# Altium PCB ZYNQ7010_AD9363.PcbDoc (part 2 of 5) (continued)
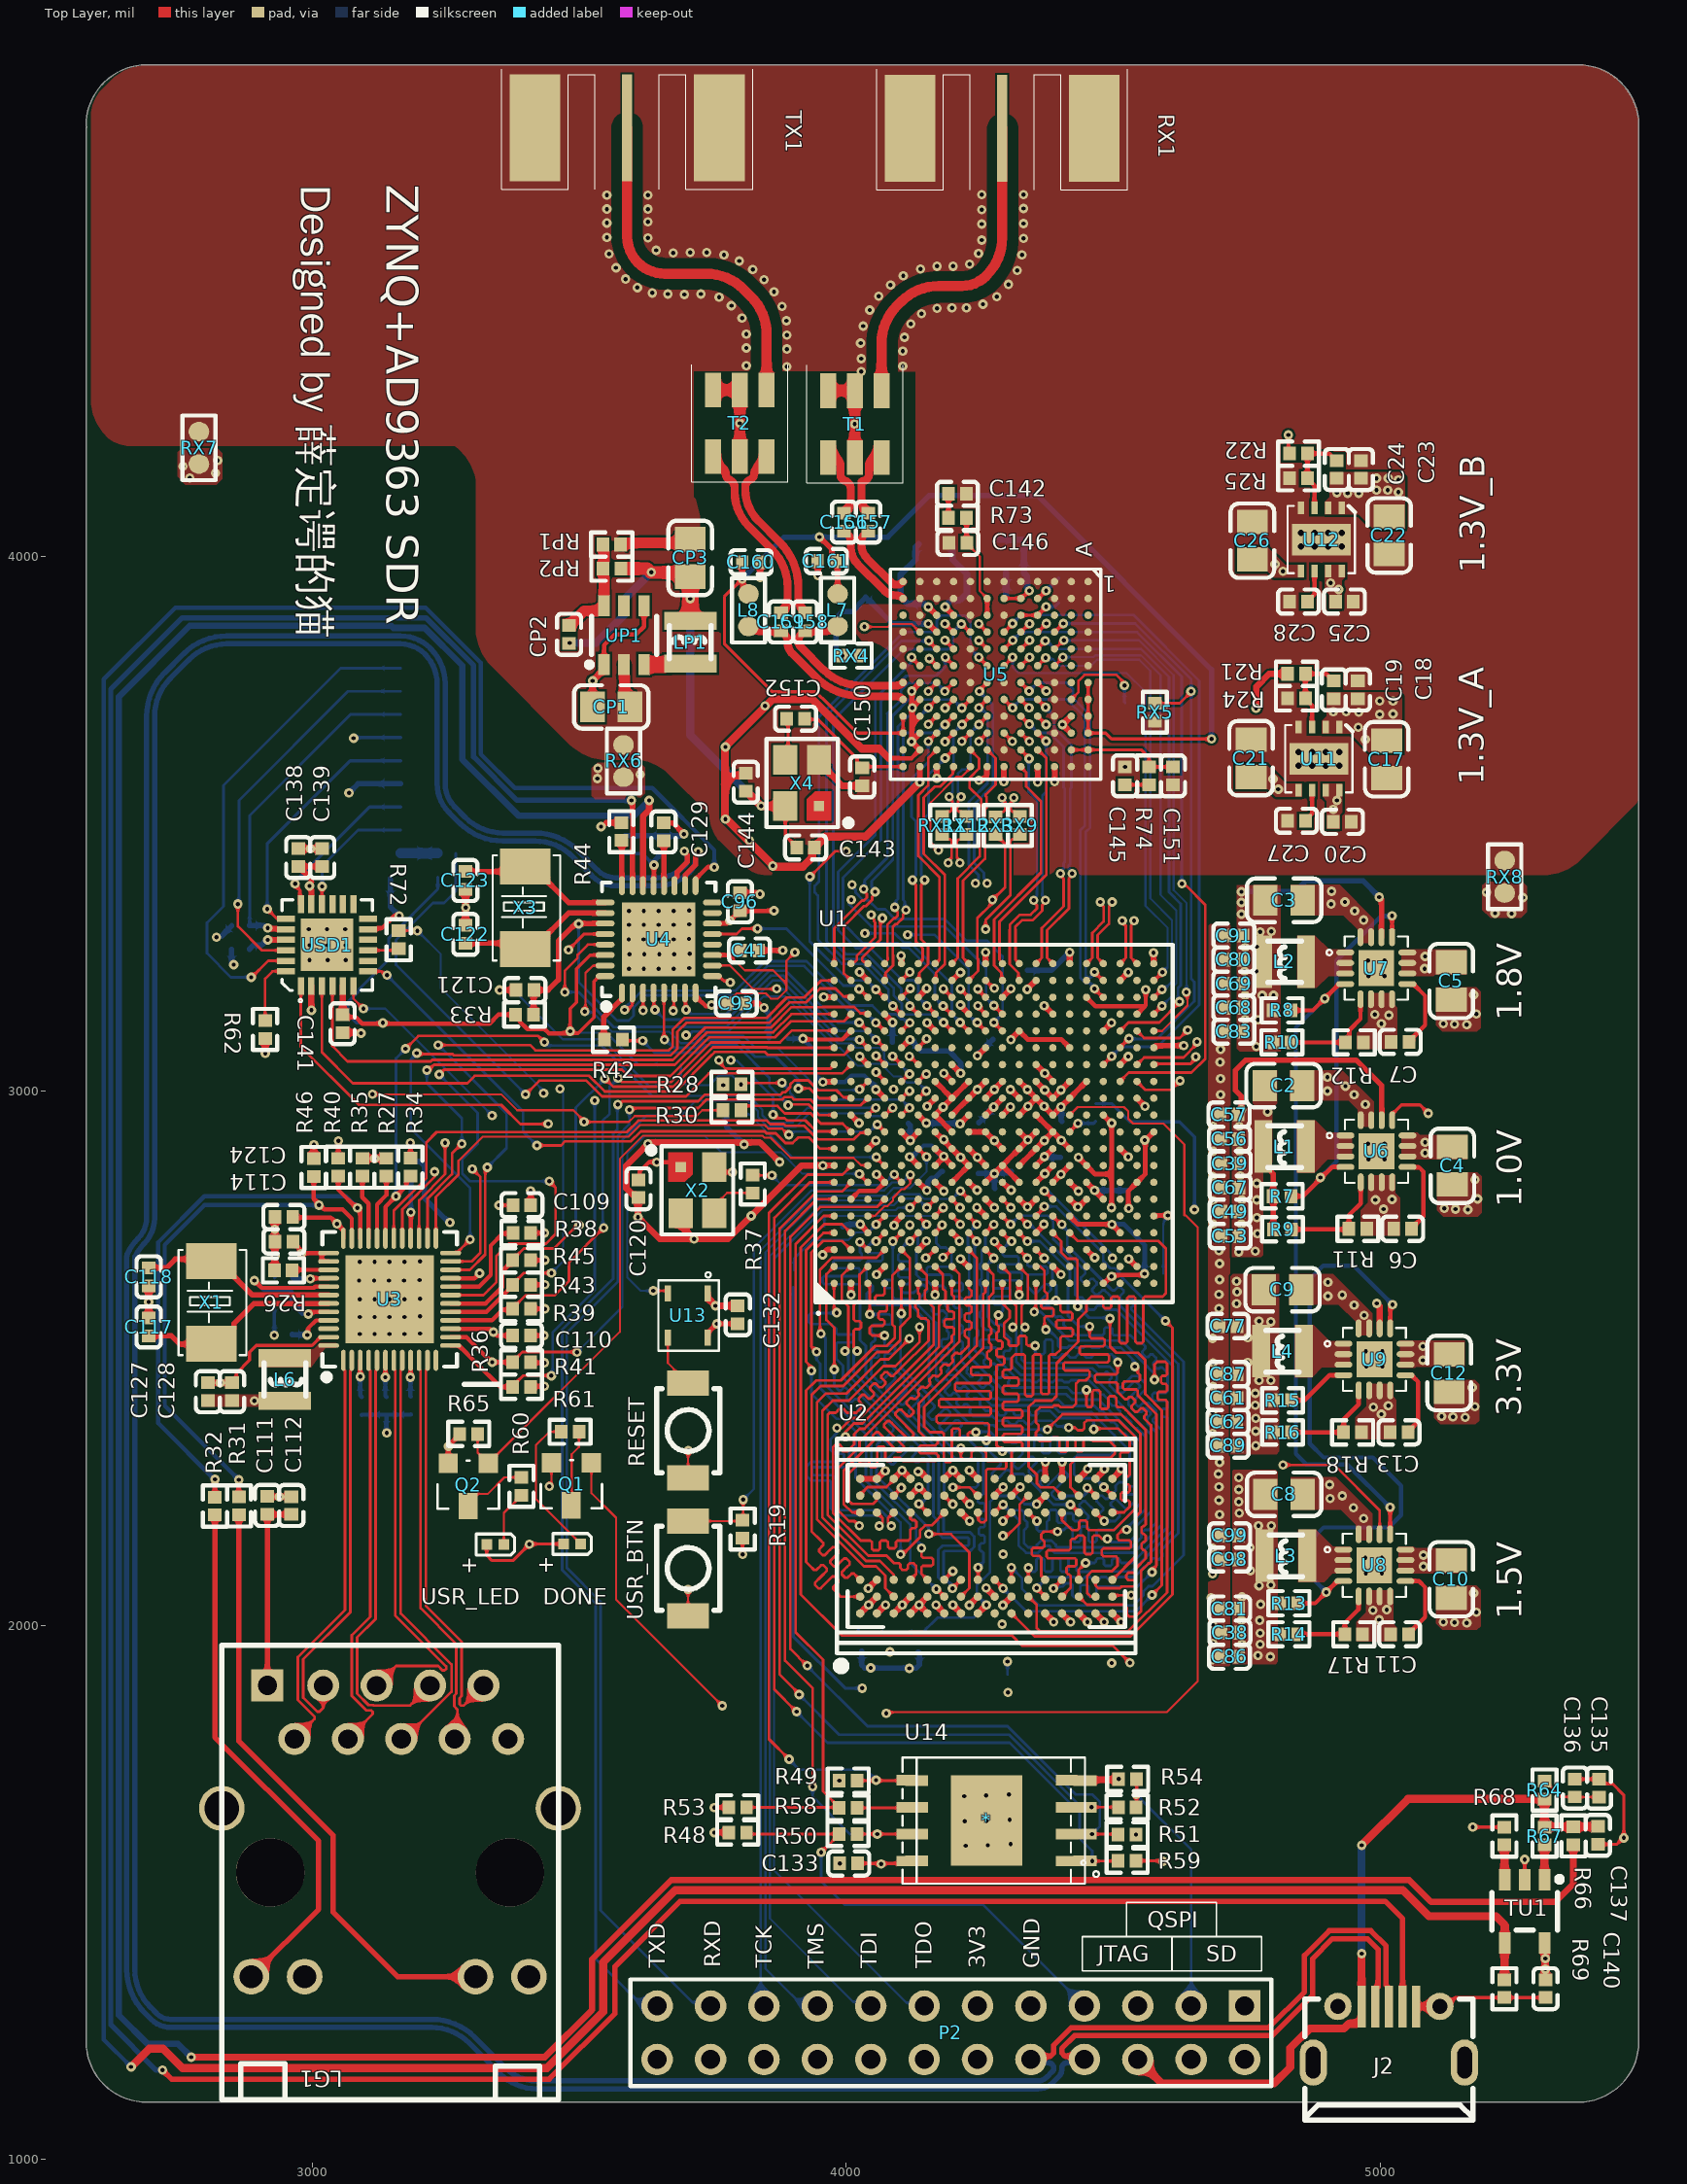
[diagram p0: Top Layer view]
## Nets (pads, with @x,y where several pads share a name; then routed paths per layer and width w, separated by ;. In a path a pad name is that pad's centre, name@x,y a point inside that pad or via, vN(x,y) a via of type N, cw(c..) or ccw(c..) an arc to the next point about the centre after c; other vN are vias at no path point) (continued)
  Bottom Layer w5: v1(4244.34,2718.61) 4244.25,2718.61 4240.76,2715.12 4240.76,2561.85 4240.76,2557.35 4243.76,2554.35 4246.76,2551.35 4246.76,2542.35 4243.76,2539.35 4240.76,2536.35 4240.76,2534.03 4240.76,2514.17 4242.74,2512.19 4245.92,2509.01 4250.16,2509.01 4250.85,2509.7 4255.09,2509.7 4261.45,2503.33 4261.45,2499.09 4258.65,2496.28 4257.22,2494.86 4257.22,2490.62 4263.58,2484.25 4267.83,2484.25 4269.25,2485.68 4273.17,2489.59 4277.41,2489.59 4283.77,2483.23 4283.77,2478.98 4279.86,2475.07 4278.43,2473.65 4278.43,2469.4 4284.8,2463.04 4289.04,2463.04 4290.47,2464.46 4294.38,2468.38 4298.62,2468.38 4304.99,2462.01 4304.99,2457.77 4303.19,2455.98 4303.19,2451.74 4307.8,2447.13 4310.16,2444.77 4414.2,2444.77 4424.53,2434.44 4440.61,2434.44 4445.01,2438.84 4448.16,2438.84 v1(4449.78,2440.45)
DDR3_A10: U1.F5 U2.L7 | length 1212.5
  Top Layer w5: U1.F5@4134.65,2765.84 v1(4150.39,2750.1) ; U2.L7@4340.98,2211 v1(4357.03,2194.95)
  Bottom Layer w5: v1(4150.39,2750.1) 4134.27,2733.98 4134.27,2712.71 4134.43,2712.54 4134.43,2704.23 4131.35,2701.16 4131.35,2655.92 4140.24,2647.03 4149.66,2647.03 4161.8,2634.9 4181.53,2634.9 4185.6,2630.83 4185.6,2599.13 4201.77,2582.96 4201.77,2482.15 4225.28,2458.64 4237.51,2446.42 4246.5,2437.43 4258.72,2425.2 4272.57,2411.35 4386.3,2411.35 4398.5,2399.16 4458.66,2399.16 4480.88,2376.94 4480.88,2376.68 4501.5,2356.06 4501.76,2356.06 4530.87,2326.94 4530.87,2278.16 4523.34,2270.63 4519.8,2267.09 4515.56,2267.09 4515.2,2267.45 4510.95,2267.45 4504.59,2261.09 4504.59,2256.84 4504.95,2256.48 4504.95,2252.24 4501.77,2249.06 4495.24,2242.53 4489.47,2236.75 4485.22,2236.75 4479.54,2242.44 4475.3,2242.44 4468.94,2236.07 4468.94,2231.83 4476.74,2224.03 4481.1,2219.66 4481.1,2215.42 4474.74,2209.06 4470.5,2209.06 4466.13,2213.42 4447.37,2232.18 4443.13,2232.18 4436.76,2225.82 4436.76,2221.57 4453.4,2204.93 4453.4,2200.69 4450.22,2197.51 4447.66,2194.95 4440.16,2194.95 4428.16,2194.95 4425.16,2197.95 4425.16,2206.47 4422.16,2209.47 4413.16,2209.47 4410.16,2206.47 4410.16,2194.95 4410.16,2194.49 4407.16,2191.49 4398.16,2191.49 4395.16,2194.49 4395.16,2194.95 4395.16,2212.82 4392.16,2215.82 4383.16,2215.82 4380.16,2212.82 4380.16,2197.95 4377.16,2194.95 4375.48,2193.26 4375.48,2178.54 4372.45,2175.52 4361.14,2175.52 4357.03,2179.62 v1(4357.03,2194.95)
DDR3_A11: U1.G4 U2.R7 | length 1209.1
  Top Layer w5: U1.G4@4166.14,2734.35 4179.72,2747.93 v1(4179.72,2749.15) ; U2.R7@4466.97,2211 v1(4483.02,2194.95)
  Bottom Layer w5: v1(4179.72,2749.15) 4178.78,2750.09 4168.58,2739.88 4168.58,2715.01 4176.63,2706.96 4186.47,2706.96 4197.31,2696.12 4197.31,2674.06 4194.35,2671.1 4153.88,2671.1 4150.88,2668.1 4150.88,2659.1 4153.88,2656.1 4194.31,2656.1 4197.31,2653.1 4197.31,2648.6 4197.31,2644.1 4200.31,2641.1 4215.4,2641.1 4218.4,2638.1 4218.4,2629.1 4215.4,2626.1 4200.31,2626.1 4197.31,2623.1 4197.31,2617.73 4199.95,2615.09 4213.47,2615.09 4217.08,2611.48 4217.08,2606.74 4215.04,2604.69 4204.22,2604.69 4201.55,2602.02 4201.55,2597.33 4205.04,2593.84 4212.69,2593.84 4215.77,2590.75 4215.77,2578.41 4215.77,2577.58 4214.77,2576.58 4211.77,2573.58 4211.77,2564.58 4214.77,2561.58 4215.77,2561.58 4218.4,2558.95 4218.4,2549.2 4215.77,2546.58 4214.77,2546.58 4211.77,2543.58 4211.77,2534.58 4214.77,2531.58 4215.77,2531.58 4218.4,2528.95 4218.4,2519.2 4215.77,2516.58 4215.77,2501.58 4215.77,2494.08 4218.85,2491 4227.33,2482.52 4227.33,2478.27 4225.68,2476.62 4225.68,2472.38 4232.05,2466.02 4236.29,2466.02 4240.06,2469.79 4242.79,2472.52 4247.03,2472.52 4253.4,2466.16 4253.4,2461.92 4250.67,2459.18 4246.89,2455.41 4246.89,2451.17 4253.26,2444.8 4257.5,2444.8 4261.27,2448.58 4264.01,2451.31 4268.25,2451.31 4274.61,2444.95 4274.61,2440.7 4271.88,2437.97 4268.11,2434.2 4268.11,2429.96 4274.47,2423.59 4278.71,2423.59 4280.36,2425.24 4284.61,2425.24 4287.79,2422.06 4396.93,2422.06 4408.41,2410.58 4464.86,2410.58 4469.41,2406.03 4474.06,2401.38 4475.36,2401.38 4479.61,2401.38 4485.97,2395.01 4485.97,2390.77 4485.97,2389.47 4495.27,2380.16 4496.58,2380.16 4500.82,2380.16 4507.18,2373.8 4507.18,2369.56 4507.18,2368.25 4516.49,2358.95 4517.79,2358.95 4522.03,2358.95 4528.4,2352.59 4528.4,2348.34 4528.4,2347.04 4529.7,2345.74 4540.87,2334.56 4540.87,2261.26 4539.24,2259.63 4526.48,2259.63 4523.48,2256.63 4523.48,2247.63 4526.48,2244.63 4537.87,2244.63 4540.87,2241.63 4540.87,2237.13 4540.87,2232.15 4535.57,2226.85 4527.08,2218.36 4522.84,2218.36 4506.15,2235.06 4501.91,2235.06 4495.54,2228.69 4495.54,2224.45 4512.23,2207.76 4512.23,2203.51 4503.75,2195.03 4503.67,2194.95 v1(4483.02,2194.95)
DDR3_A12: U1.E4 U2.N7 | length 1211.5
  Top Layer w5: v1(4087.41,2718.61) U1.E4@4103.15,2734.35 ; U2.N7@4403.98,2211 4403.98,2196.97 4422.83,2178.12 4433.08,2178.12 4436.08,2181.12 4436.08,2193.06 4439.08,2196.06 4448.08,2196.06 4451.08,2193.06 4451.08,2181.12 4454.08,2178.12 4466.08,2178.12 4473.58,2178.12 4501.46,2178.12 4540.87,2217.54 4540.87,2352.86 4510.28,2383.45 4450.65,2383.45 4445.55,2378.35 4445.55,2368.02 4442.49,2364.96 4433.28,2364.96 4428.55,2369.69 v1@4419.11,2369.69
  Bottom Layer w5: v1(4087.41,2718.61) 4087.41,2697.25 4087.41,2652.23 4087.41,2649.14 4084.41,2646.14 4071.95,2646.14 4068.95,2643.14 4068.95,2634.14 4071.95,2631.14 4084.41,2631.14 4087.41,2628.14 4087.41,2623.64 4087.41,2613.98 4091.59,2609.8 4124.32,2609.8 4168.18,2565.95 4168.18,2537.26 4168.18,2460.72 4170.84,2458.05 4174.02,2454.87 4178.26,2454.87 4183.84,2460.45 4188.09,2460.45 4194.45,2454.09 4194.45,2449.84 4186.75,2442.14 4185.27,2440.66 4185.27,2436.42 4191.63,2430.06 4195.88,2430.06 4197.36,2431.54 4200.81,2434.99 4205.05,2434.99 4211.41,2428.62 4211.41,2424.38 4207.96,2420.93 4206.48,2419.45 4206.48,2415.21 4212.85,2408.84 4217.09,2408.84 4218.57,2410.32 4222.02,2413.77 4226.26,2413.77 4232.63,2407.41 4232.63,2403.17 4231.3,2401.84 4231.3,2397.59 4237.54,2391.35 4273.63,2391.35 4282.17,2382.81 4289.67,2382.81 4301.67,2382.81 4304.67,2379.81 4304.67,2379.38 4307.67,2376.38 4316.67,2376.38 4319.67,2379.38 4319.67,2379.81 4322.67,2382.81 4331.67,2382.81 4334.67,2379.81 4334.67,2379.38 4337.67,2376.38 4346.67,2376.38 4349.67,2379.38 4349.67,2379.81 4352.67,2382.81 4364.67,2382.81 4379.67,2382.81 4384.51,2382.81 4395.09,2372.23 4417.73,2372.23 4416.48,2370.97 v1(4416.48,2369.69)
DDR3_A13: U1.D4 U2.T3 | length 1211.9
  Top Layer w5: v1(4055.92,2718.61) U1.D4@4071.66,2734.35 ; v1(4376.47,2366.38) 4405,2394.91 4514.18,2394.91 4550.87,2358.21 4550.87,2211.68 4543.16,2203.97 4543.16,2160.01 4543.21,2159.96 4543.21,2142.67 4543.16,2142.62 4543.16,2129.7 U2.T3@4498.46,2085
  Bottom Layer w5: v1(4055.92,2718.61) 4049.99,2718.61 4038.1,2706.73 4038.1,2704 4038.1,2699.5 4041.1,2696.5 4065.1,2696.5 4068.1,2693.5 4068.1,2684.5 4065.1,2681.5 4041.1,2681.5 4038.1,2678.5 4038.1,2670.03 4038.1,2645.61 4038.1,2641.11 4041.1,2638.11 4046.51,2638.11 4049.51,2635.11 4049.51,2626.11 4046.51,2623.11 4041.1,2623.11 4038.1,2620.11 4038.1,2610.16 4048.46,2599.8 4120.18,2599.8 4154.92,2565.06 4154.92,2452.63 4227.46,2380.09 4254.81,2380.09 4260.6,2374.3 4276.54,2374.3 4284.46,2366.38 v1(4376.47,2366.38)
DDR3_A14: U1.F4 U2.T7 | length 1207.8
  Top Layer w5: v1(4118.91,2718.61) U1.F4@4134.65,2734.35 ; v1@4463.46,2368.33 4486.8,2368.33 4501.76,2368.33 4509.26,2368.33 4530.87,2346.71 4530.87,2338.64 4530.87,2326.64 4527.87,2323.64 4515.87,2323.64 4512.87,2320.64 4512.87,2311.64 4515.87,2308.64 4527.87,2308.64 4530.87,2305.64 4530.87,2301.14 4530.87,2293.64 4530.87,2281.64 4527.87,2278.64 4525.49,2278.64 4522.49,2275.64 4522.49,2266.64 4525.49,2263.64 4527.87,2263.64 4530.87,2260.64 4530.87,2251.64 4527.87,2248.64 4516.84,2248.64 4513.84,2245.64 4513.84,2236.64 4516.84,2233.64 4527.87,2233.64 4530.87,2230.64 4530.87,2221.68 4520.19,2211 U2.T7@4498.46,2211
  Bottom Layer w5: 4118.91,2644.89 4118.91,2642.53 4114.74,2638.36 4103.93,2638.36 4100.28,2634.7 4100.28,2630.06 4108,2622.34 4126.58,2622.34 4128.38,2624.13 4141.28,2637.03 4145.52,2637.03 4151.88,2630.67 4151.88,2626.43 4138.98,2613.53 4138.98,2609.28 4145.35,2602.92 4149.59,2602.92 4152.03,2605.36 4156.27,2605.36 4162.64,2599 4162.64,2594.76 4160.19,2592.31 4160.19,2588.07 4166.56,2581.71 4170.8,2581.71 4177.72,2588.63 4181.96,2588.63 4188.33,2582.26 4188.33,2578.02 4181.41,2571.1 4181.41,2566.86 4188.94,2559.33 4188.94,2557.92 4188.94,2550.42 4191.77,2547.58 4191.77,2538.26 4188.94,2535.42 4181.18,2535.42 4178.18,2532.42 4178.18,2523.42 4181.18,2520.42 4188.94,2520.42 4191.77,2517.58 4191.77,2508.26 4188.94,2505.42 4181.18,2505.42 4178.18,2502.42 4178.18,2493.42 4181.18,2490.42 4188.94,2490.42 4191.77,2487.58 4191.77,2478.26 4188.94,2475.42 4188.94,2473.7 4190.78,2471.86 4194.63,2468.01 4197.53,2468.01 4201.78,2468.01 4208.14,2461.64 4208.14,2457.4 4206.69,2455.95 4204.48,2453.74 4204.48,2449.5 4210.84,2443.14 4215.09,2443.14 4217.3,2445.34 4218.75,2446.8 4222.99,2446.8 4229.35,2440.43 4229.35,2436.19 4227.9,2434.74 4225.69,2432.53 4225.69,2428.29 4232.06,2421.92 4236.3,2421.92 4238.51,2424.13 4239.96,2425.58 4244.2,2425.58 4250.57,2419.22 4250.57,2414.98 4250.57,2412.07 4258.42,2404.22 4261.29,2401.35 4268.79,2401.35 4280.79,2401.35 4283.79,2398.35 4283.79,2395.8 4286.79,2392.8 4295.79,2392.8 4298.79,2395.8 4298.79,2398.35 4301.79,2401.35 4310.79,2401.35 4313.79,2398.35 4313.79,2395.8 4316.79,2392.8 4325.79,2392.8 4328.79,2395.8 4328.79,2398.35 4331.79,2401.35 4340.79,2401.35 4343.79,2398.35 4343.79,2395.8 4346.79,2392.8 4355.79,2392.8 4358.79,2395.8 4358.79,2398.35 4361.79,2401.35 4373.79,2401.35 4381.56,2401.35 4395.18,2387.73 4455.94,2387.73 4463.46,2380.21 v1(4463.46,2366.94) ; 4118.91,2648.11 4115.91,2651.11 4100.41,2651.11 4097.41,2654.11 4097.41,2663.11 4100.41,2666.11 4115.91,2666.11 4118.91,2669.11 4118.91,2678.11 4115.91,2681.11 4100.41,2681.11 4097.41,2684.11 4097.41,2693.11 4100.41,2696.11 4103.77,2699.47 4103.77,2706.49 4115.89,2718.61 v1(4118.91,2718.61)
DDR3_BA0: U1.L5 U2.M2 | length 1211.9
  Top Layer w5: U1.L5@4292.13,2765.84 v1(4307.87,2750.1) ; v1(4356.43,2069.56) U2.M2@4372.48,2053.51
  Bottom Layer w5: v1(4307.87,2750.1) 4324.23,2766.46 4378,2766.46 4387.41,2757.05 4387.41,2721.98 4388.83,2721.98 4433.96,2676.85 4439.26,2671.55 4447.75,2663.06 4447.75,2658.82 4439.49,2650.57 4439.49,2646.33 4445.86,2639.96 4450.1,2639.96 4458.35,2648.22 4462.59,2648.22 4468.96,2641.85 4468.96,2637.61 4460.6,2629.25 4460.6,2625 4466.96,2618.64 4471.2,2618.64 4479.57,2627 4483.81,2627 4492.29,2618.52 4496.1,2614.71 4621.87,2488.94 4621.87,2172.19 4602.3,2152.62 4589.7,2140.02 4589.7,2135.78 4592.17,2133.31 4592.17,2129.07 4585.81,2122.7 4581.56,2122.7 4579.09,2125.17 4574.85,2125.17 4566.37,2116.69 4555.76,2106.08 4545.15,2095.48 4539.85,2090.17 4507.54,2090.17 4504.54,2087.17 4501.54,2084.17 4492.54,2084.17 4489.54,2087.17 4486.54,2090.17 4477.54,2090.17 4474.54,2087.17 4471.54,2084.17 4462.54,2084.17 4459.54,2087.17 4456.54,2090.17 4447.34,2090.17 4444.54,2087.37 4441.54,2084.37 4432.54,2084.37 4429.54,2087.37 4426.74,2090.17 4414.54,2090.17 4411.74,2087.37 4402.34,2087.37 4399.54,2090.17 4384.54,2090.17 4377.04,2090.17 v1(4356.43,2069.56)
DDR3_BA1: U1.R4 U2.N8 | length 1271.2
  Top Layer w5: U2.N8@4403.98,2242.49 4388.6,2257.86 4364.6,2257.86 4357.11,2265.35 4357.11,2281.72 4341.78,2297.04 4341.78,2408.35 4353.95,2420.52 4385.26,2420.52 4393.85,2429.11 4393.85,2490.05 4434.45,2530.66 4434.45,2557.24 4434.45,2572.12 4449.91,2587.58 4449.91,2603.55 4448.91,2604.55 4448.91,2605.26 4458.91,2615.26 4466.41,2615.26 4478.41,2615.26 4481.41,2612.26 4481.41,2596.24 4484.41,2593.24 4493.41,2593.24 4496.41,2596.24 4496.41,2612.26 4499.41,2615.26 4508.41,2615.26 4511.41,2612.26 4511.41,2530.89 4514.41,2527.89 4523.41,2527.89 4526.41,2530.89 4526.41,2612.26 4529.41,2615.26 4538.41,2615.26 4541.41,2612.26 4541.41,2530.89 4544.41,2527.89 4553.41,2527.89 4556.41,2530.89 4556.41,2612.26 4559.41,2615.26 4571.41,2615.26 4592.56,2615.26 4598.6,2621.3 4598.6,2704.85 4584.22,2719.23 4433.22,2719.23 U1.R4@4418.11,2734.35
DDR3_BA2: U1.J5 U2.M3 | length 1211.6
  Top Layer w5: U1.J5@4229.14,2765.84 v1(4244.88,2750.1) ; U2.M3@4372.48,2085 4365.01,2092.47 4365.01,2120.93 4365.01,2126.61 4362.01,2129.61 4350.32,2129.61 4347.32,2132.61 4347.32,2141.61 4350.32,2144.61 4365.01,2144.61 4368.01,2144.61 4371.01,2147.61 4371.01,2156.61 4368.01,2159.61 4365.01,2162.61 4365.01,2167.11 4365.01,2170.04 4370.27,2175.29 v1(4395.89,2175.29)
  Bottom Layer w5: v1(4244.88,2750.1) 4227.98,2733.2 4227.98,2711.74 4230.03,2709.69 4230.03,2503.67 4301.04,2432.66 4411.69,2432.66 4422.17,2422.18 4472.95,2422.18 4550.87,2344.25 4550.87,2228.01 4501.45,2178.59 4476.51,2178.59 4472.01,2178.59 4469.01,2175.59 4469.01,2158.46 4466.01,2155.46 4457.01,2155.46 4454.01,2158.46 4454.01,2178.59 4454.01,2181.95 4451.01,2184.95 4442.01,2184.95 4439.01,2181.95 4439.01,2178.59 4439.01,2158.46 4436.01,2155.46 4427.01,2155.46 4424.01,2158.46 4424.01,2178.59 4424.01,2179.75 4421.01,2182.75 4412.01,2182.75 4409.01,2179.75 4407.86,2178.59 4405.47,2178.59 4399.19,2178.59 v1(4395.89,2175.29)
DDR3_CAS: U1.P5 U2.K3 | length 1213
  Top Layer w5: U2.K3@4309.49,2085 v1(4309.49,2107.7) ; U1.P5@4386.62,2765.84 4402.36,2750.1 v1(4403.76,2750.1)
  Bottom Layer w5: v1(4309.49,2107.7) 4329.08,2088.1 4329.08,2068.22 4360.15,2037.15 4537.84,2037.15 4556.36,2055.67 4556.36,2063.14 4565.94,2072.72 4573.41,2072.72 4631.87,2131.18 4631.87,2493.08 4548.81,2576.14 4534.14,2590.81 4534.14,2595.05 4540.52,2601.43 4540.52,2605.67 4534.16,2612.03 4529.91,2612.03 4523.54,2605.66 4519.3,2605.66 4512.93,2612.02 4512.93,2616.26 4519.31,2622.64 4519.31,2626.88 4512.94,2633.25 4508.7,2633.25 4502.32,2626.87 4498.08,2626.87 4494.9,2630.05 4413.82,2711.13 4413.82,2738.64 4403,2749.45 4403.64,2750.1 v1(4403.76,2750.1)
DDR3_CK_N: U1.M2 U2.K7 | length 1211.9
  Top Layer w5: v1(4293.44,2194.95) U2.K7@4309.49,2211 ; U1.M2@4323.62,2671.35 4339.99,2654.98 4339.99,2609.53 4328.25,2597.79 4328.25,2564.2 v1(4334.61,2557.84)
  Bottom Layer w5: v1(4293.44,2194.95) 4303.87,2205.39 4314.7,2205.39 4322.78,2197.3 4322.78,2149.34 4336.71,2135.4 4359.32,2135.4 4367.28,2143.36 4367.28,2146.33 4369.34,2148.4 4380.21,2148.4 4382.28,2146.33 4382.28,2143.36 4390.23,2135.4 4482.04,2135.4 4499.78,2135.4 4499.84,2135.46 4538.22,2135.46 4547.88,2145.12 4582.16,2179.4 4590.87,2188.11 4590.87,2364.97 4573.86,2381.99 4573.86,2384.91 4579.9,2390.96 4579.9,2402.17 4566.37,2415.71 4555.15,2415.71 4549.11,2409.66 4546.18,2409.66 4538.5,2417.34 4538.5,2420.27 4559.71,2441.48 4559.71,2452.7 4546.18,2466.23 4534.96,2466.23 4513.75,2445.02 4510.82,2445.02 4503.14,2452.7 4503.14,2455.63 4506.78,2459.26 4506.78,2470.47 4493.24,2484.01 4482.03,2484.01 4481.93,2483.91 4473.84,2483.91 4466.76,2490.98 4335.05,2490.98 4328.25,2497.77 4328.25,2551.48 v1(4334.61,2557.84)
DDR3_CK_P: U1.L2 U2.J7 | length 1211.9
  Top Layer w5: U2.J7@4277.99,2211 4292.81,2225.82 v1(4293.58,2225.82) ; U1.L2@4292.13,2671.35 4306.52,2656.96 4306.52,2609.83 4318.25,2598.1 4318.25,2564.2 v1(4311.9,2557.84)
  Bottom Layer w5: v1(4293.58,2225.82) 4304.01,2215.39 4328.95,2215.39 4332.78,2211.55 4332.78,2205.67 4332.78,2198.76 4335.78,2195.76 4338.78,2192.76 4338.78,2183.76 4335.78,2180.76 4332.78,2177.76 4332.78,2165.76 4332.78,2158.26 4332.78,2153.48 4340.8,2145.46 4355.16,2145.46 4357.22,2147.52 4357.22,2150.5 4365.18,2158.45 4384.37,2158.45 4392.33,2150.5 4392.33,2147.52 4394.39,2145.46 4482.04,2145.46 4482.09,2145.4 4495.64,2145.4 4495.7,2145.46 4534.08,2145.46 4549.57,2160.96 4552.5,2163.88 4552.5,2167.59 4552.5,2171.84 4558.86,2178.2 4563.11,2178.2 4566.82,2178.2 4575.57,2186.95 4580.87,2192.25 4580.87,2360.83 4563.86,2377.84 4563.86,2389.06 4569.9,2395.1 4569.9,2398.03 4562.22,2405.71 4559.3,2405.71 4553.25,2399.66 4542.04,2399.66 4528.5,2413.2 4528.5,2424.41 4549.71,2445.63 4549.71,2448.55 4542.04,2456.23 4539.11,2456.23 4517.89,2435.02 4506.68,2435.02 4493.14,2448.55 4493.14,2459.77 4496.78,2463.4 4496.78,2466.33 4489.1,2474.01 4486.17,2474.01 4482.54,2470.37 4471.32,2470.37 4460.72,2480.98 4330.91,2480.98 4318.25,2493.63 4318.25,2551.48 v1(4311.9,2557.84)
DDR3_CKE: U1.N3 U2.K9 | length 1227.7
  Top Layer w5: U2.K9@4309.49,2274 4309.78,2274.29 4309.78,2303.33 4309.78,2325.12 4312.78,2328.12 4326.82,2328.12 4329.82,2331.12 4329.82,2340.12 4326.82,2343.12 4309.78,2343.12 4296.56,2343.12 4293.56,2346.12 4293.56,2355.12 4296.56,2358.12 4309.78,2358.12 4326.82,2358.12 4329.82,2361.12 4329.82,2370.12 4326.82,2373.12 4309.78,2373.12 4296.56,2373.12 4293.56,2376.12 4293.56,2385.12 4296.56,2388.12 4309.78,2388.12 4326.82,2388.12 4329.82,2391.12 4329.82,2400.12 4326.82,2403.12 4309.78,2403.12 4296.56,2403.12 4293.56,2406.12 4293.56,2415.12 4296.56,2418.12 4309.78,2418.12 4320,2418.12 4323,2421.12 4323,2430.12 4320,2433.12 4309.78,2433.12 4296.56,2433.12 4293.56,2436.12 4293.56,2445.12 4296.56,2448.12 4309.78,2448.12 4320,2448.12 4323,2451.12 4323,2460.12 4320,2463.12 4309.78,2463.12 4296.56,2463.12 4293.56,2466.12 4293.56,2475.12 4296.56,2478.12 4306.78,2478.12 4309.78,2481.12 4309.78,2493.12 4309.78,2500.62 4316,2506.84 4319.96,2506.84 4331.96,2506.84 4334.96,2503.84 4334.96,2431.81 4337.96,2428.81 4346.96,2428.81 4349.96,2431.81 4349.96,2503.84 4352.96,2506.84 4361.96,2506.84 4364.96,2503.84 4364.96,2435.49 4367.96,2432.49 4376.96,2432.49 4379.96,2435.49 4379.96,2503.84 4382.96,2506.84 4387.46,2506.84 4391.96,2506.84 4401.36,2516.24 4401.36,2518.6 4401.36,2526.1 4401.36,2538.1 4404.36,2541.1 4421.45,2541.1 4424.45,2544.1 4424.45,2553.1 4421.45,2556.1 4401.36,2556.1 4396.26,2556.1 4393.26,2559.1 4393.26,2568.1 4396.26,2571.1 4401.36,2571.1 4420.62,2571.1 4423.62,2574.1 4423.62,2583.1 4420.62,2586.1 4404.36,2586.1 4401.36,2589.1 4401.36,2599.22 v1(4392.58,2608) ; U1.N3@4355.12,2702.85 v1(4370.86,2687.11)
  Bottom Layer w5: v1@4370.86,2688.82 v1(4370.86,2687.11) 4385.95,2672.02 4385.95,2644.3 4393.52,2636.72 4393.52,2617.67 4386.71,2610.86 v1@4396.3,2610.86 ; v1(4392.58,2608) 4393.44,2608 v1@4396.3,2610.86 ; v1@4396.01,2611.14 v1@4396.3,2610.86
DDR3_CS: U1.N1 U2.L2 | length 1212.6
  Top Layer w5: U2.L2@4340.98,2053.51 4356.71,2037.79 4356.71,1994.63 4362.39,1988.95 4528.44,1988.95 4600.87,2061.38 4600.87,2414.25 4600.87,2418.75 4597.87,2421.75 4585.9,2421.75 4582.9,2424.75 4582.9,2433.75 4585.9,2436.75 4597.87,2436.75 4600.87,2439.75 4600.87,2448.75 4597.87,2451.75 4592.38,2451.75 4589.38,2454.75 4589.38,2463.75 4592.38,2466.75 4597.87,2466.75 4600.87,2469.75 4600.87,2481.75 4600.87,2489.55 4597.19,2493.24 4582.33,2493.24 4577.19,2488.1 v1(4577.19,2459.49) ; v1@4352.55,2584.16 4355.12,2586.73 U1.N1@4355.12,2639.86
  Bottom Layer w5: v1(4351.94,2586.37) 4364.32,2586.37 4417.86,2532.83 4426.24,2532.83 ; 4426.24,2532.82 4514.98,2532.82 4565.06,2482.74 4565.06,2482.51 4577.94,2469.64 4577.19,2468.9 v1(4577.19,2459.49)
DDR3_DM0: U1.A1 U2.E7 | length 829.4
  Top Layer w5: v1@3977.17,2590.73 U1.A1@3977.17,2639.86 ; v1(4135.96,2227.05) U2.E7@4152.01,2211
  Bottom Layer w5: v1(3982.14,2584.87) 3981.33,2584.06 3934.21,2584.06 3929.35,2579.2 3929.35,2568.07 3933.83,2563.59 3972.55,2563.59 3981.33,2554.81 3981.33,2551.85 3981.33,2547.35 3984.33,2544.35 4009.87,2544.35 4012.87,2541.35 4012.87,2532.35 4009.87,2529.35 3984.33,2529.35 3981.33,2526.35 3981.33,2515.09 3981.33,2498.28 3994.05,2485.56 3994.05,2472.01 3994.04,2463.62 3997.11,2460.55 4002.42,2455.24 4066.07,2391.6 4066.49,2391.18 4077.09,2380.57 4082.4,2375.27 4088.35,2369.31 4088.35,2365.07 4072.08,2348.8 4072.08,2344.56 4078.44,2338.2 4082.68,2338.2 4098.95,2354.47 4103.2,2354.47 4109.56,2348.1 4109.56,2343.86 4077.63,2311.93 4077.63,2307.69 4084,2301.32 4088.24,2301.32 4120.17,2333.25 4124.41,2333.25 4130.77,2326.89 4130.77,2322.65 4124.09,2315.96 4124.09,2311.72 4130.45,2305.35 4134.7,2305.35 4141.38,2312.04 4145.62,2312.04 4148.81,2308.86 4153.2,2304.47 4153.2,2240.41 4142.76,2229.97 v1@4135.49,2229.97
DDR3_DM1: U1.F1 U2.D3 | length 895.9
  Top Layer w5: U2.D3@4120.51,2085 4120.51,2085.2 4130.82,2095.51 4130.82,2111.05 4125.8,2116.06 4119.59,2116.06 4115.39,2111.86 4115.39,2106.53 4112.41,2103.55 4105.17,2103.55 4101.34,2107.38 4101.34,2113.36 4098.64,2116.06 4089.45,2116.06 4075.4,2130.12 4041.42,2130.12 3965.18,2206.36 3965.18,2393.65 3969.1,2397.57 3973.03,2397.57 3976.06,2397.57 3980.56,2397.57 3983.56,2400.57 3983.56,2401.51 3986.56,2404.51 3995.56,2404.51 3998.56,2401.51 3998.56,2400.57 4001.56,2397.57 4002.2,2397.57 4018.98,2397.57 4025.48,2404.08 4030.66,2409.25 4030.66,2413.49 4023.64,2420.51 4023.64,2424.75 4030,2431.12 4034.24,2431.12 4041.26,2424.1 4045.51,2424.1 4051.87,2430.46 4051.87,2434.7 4044.85,2441.72 4044.85,2445.97 4051.21,2452.33 4055.46,2452.33 4062.48,2445.31 4066.72,2445.31 4073.08,2451.67 4073.08,2455.92 4066.06,2462.94 4066.06,2467.18 4072.43,2473.54 4076.67,2473.54 4083.69,2466.52 4087.93,2466.52 4096.42,2475.01 4101.72,2480.31 4153.94,2532.53 4153.94,2569.38 4148.95,2574.37 4139.39,2574.37 4134.65,2579.11 4134.65,2589.95 4132.59,2592.01 4129.59,2595.01 4129.59,2604.01 4132.59,2607.01 4134.65,2607.01 4137.38,2609.74 4137.38,2619.28 4134.65,2622.01 4134.65,2629.51 U1.F1@4134.65,2639.86
DDR3_DQ0: U1.C3 U2.F8 | length 840.7
  Top Layer w5: v1(4025.6,2717.4) U1.C3@4040.16,2702.85 ; U2.F8@4183.5,2242.49 v1(4199.55,2226.44)
  Bottom Layer w5: v1(4025.6,2717.4) 4030.12,2712.89 4026.03,2708.79 4026.03,2705.85 4026.03,2698.35 4028.99,2695.38 4028.99,2686.31 4026.03,2683.35 3978.67,2683.35 3975.67,2680.35 3975.67,2671.35 3978.67,2668.35 4023.03,2668.35 4026.03,2665.35 4026.03,2656.35 4023.03,2653.35 3959.02,2653.35 3956.02,2650.35 3956.02,2641.35 3959.02,2638.35 4023.03,2638.35 4026.03,2635.35 4026.03,2633.81 4026.03,2533.49 4036.76,2522.76 4036.76,2464.76 4183.2,2318.32 4183.2,2283.27 4183.49,2282.98 4183.49,2264.85 4183.28,2264.64 4183.28,2242.71 v1(4199.55,2226.44)
DDR3_DQ1: U1.B3 U2.F2 | length 837.4
  Top Layer w5: v1(3944.56,2511.77) 3935.06,2521.27 3935.06,2697.67 3956.64,2719.25 3992.25,2719.25 U1.B3@4008.66,2702.85 ; v1(4168.68,2067.58) 4169.44,2067.58 U2.F2@4183.5,2053.51
  Bottom Layer w5: v1(3944.56,2511.77) 3944.56,2496.48 3951.33,2489.7 3951.33,2443.58 4037.08,2357.84 4037.08,2304.22 4036.88,2304.01 4036.88,2270.59 4050.55,2256.92 4051.14,2256.92 4119.86,2188.19 4119.86,2116.39 v1(4168.68,2067.58)
DDR3_DQ2: U1.A2 U2.G2 | length 837.5
  Top Layer w5: U1.A2@3977.17,2671.35 3962.78,2656.96 3962.78,2571.56 3977.69,2556.65 v1(3977.69,2478.79) ; v1(4154.54,2170.47) 4196.37,2170.47 4230.7,2136.13 4230.7,2069.21 U2.G2@4215,2053.51
  Bottom Layer w5: v1(3977.69,2478.79) 3977.69,2448.06 3983.78,2441.96 3986.02,2439.73 3990.26,2439.73 3994.9,2444.38 3999.14,2444.38 4005.51,2438.01 4005.51,2433.77 4000.86,2429.13 4000.86,2424.88 4007.23,2418.52 4011.47,2418.52 4016.12,2423.16 4020.36,2423.16 4026.72,2416.8 4026.72,2412.56 4022.08,2407.91 4022.08,2403.67 4028.44,2397.31 4032.68,2397.31 4037.33,2401.95 4041.57,2401.95 4047.94,2395.59 4047.94,2391.34 4043.29,2386.7 4043.29,2382.46 4051.78,2373.97 4057.08,2368.67 4057.08,2363.24 4057.08,2358.74 4060.08,2355.74 4063.08,2352.74 4063.08,2343.74 4060.08,2340.74 4057.08,2337.74 4057.08,2328.74 4060.08,2325.74 4063.55,2325.74 4066.55,2322.74 4066.55,2313.74 4063.55,2310.74 4060.08,2310.74 4057.08,2307.74 4057.08,2298.81 4057.08,2295.93 4056.88,2295.73 4056.88,2278.87 4058.83,2276.92 4059.42,2276.92 4154.54,2181.8 v1(4154.54,2170.47)
DDR3_DQ3: U1.A4 U2.F7 | length 838
  Top Layer w5: v1(3934.97,2476.53) 3934.97,2482.39 3935.46,2482.88 3925.06,2493.28 3925.06,2702.04 3957.37,2734.35 U1.A4@3977.17,2734.35 ; v1(4101.67,2132.42) 4105.65,2132.42 4138.18,2164.95 4138.18,2177.24 4147.77,2186.82 4160.06,2186.82 4183.5,2210.27 U2.F7@4183.5,2211
  Bottom Layer w5: v1(3934.97,2476.53) 3934.97,2433.44 3982.3,2386.11 3994.28,2386.11 4017.49,2362.89 4017.49,2275.83 4046.4,2246.92 4047,2246.92 4101.67,2192.25 v1(4101.67,2132.42)
DDR3_DQ4: U1.D3 U2.E3 | length 839.5
  Top Layer w5: v1@3950.53,2545.69 v1(3952.71,2545.69) 3950.9,2547.49 3950.9,2665.43 3973.25,2687.78 4056.59,2687.78 U1.D3@4071.66,2702.85 ; v1(4140.82,2144.44) 4140.82,2133.64 4140.82,2129.14 4143.82,2126.14 4159.76,2126.14 4162.76,2123.14 4162.76,2114.14 4159.76,2111.14 4143.82,2111.14 4140.82,2108.14 4140.82,2096.19 U2.E3@4152.01,2085
  Bottom Layer w5: v1(3952.71,2545.69) 3961.33,2537.06 3961.33,2449.46 4047.08,2363.71 4047.08,2300.07 4046.88,2299.87 4046.88,2274.73 4054.69,2266.92 4055.28,2266.92 4131.1,2191.1 4131.1,2159.5 4140.82,2149.79 v1(4140.82,2144.44)
DDR3_DQ5: U1.D1 U2.H7 | length 837.5
  Top Layer w5: v1(4071.66,2542.19) 4048.54,2542.19 4044.27,2546.47 4044.27,2556.88 4048.03,2560.64 4068.15,2560.64 4071.66,2564.15 4071.66,2567.74 4071.66,2569.36 4068.66,2572.36 4063.58,2572.36 4060.58,2575.36 4060.58,2584.36 4063.58,2587.36 4071.66,2587.36 4073.6,2587.36 4076.6,2590.36 4076.6,2599.36 4073.6,2602.36 4071.66,2602.36 4057.22,2602.36 4054.22,2605.36 4054.22,2614.36 4057.22,2617.36 4068.66,2617.36 4071.66,2620.36 4071.66,2632.36 U1.D1@4071.66,2639.86 ; v1(4214.88,2331.63) 4214.88,2314.79 4221.09,2308.58 4228.9,2308.58 4234.83,2314.52 4234.83,2324.45 4242.01,2331.63 4253.19,2331.63 4261.87,2322.94 4261.87,2315.09 4261.87,2310.59 4264.87,2307.59 4296.78,2307.59 4299.78,2304.59 4299.78,2295.59 4296.78,2292.59 4264.87,2292.59 4261.87,2289.59 4261.87,2285.26 4261.87,2196.74 4257.83,2192.69 4251.78,2192.69 4247.41,2197.07 4247.41,2210.09 U2.H7@4246.5,2211
  Bottom Layer w5: v1(4071.66,2542.19) 4071.66,2530.68 4071.66,2526.18 4074.66,2523.18 4088.49,2523.18 4091.49,2520.18 4091.49,2511.18 4088.49,2508.18 4074.66,2508.18 4071.66,2505.18 4071.66,2493.18 4071.66,2490.28 4075.6,2486.34 4084.57,2486.34 4145.14,2425.78 4145.14,2415.24 4134.09,2404.19 4134.09,2396.31 4198.77,2331.63 v1(4214.88,2331.63)